# Altium PCB LimeSDR-Micro_M.2_2280_1v1.PcbDoc (part 6 of 9) (continued)
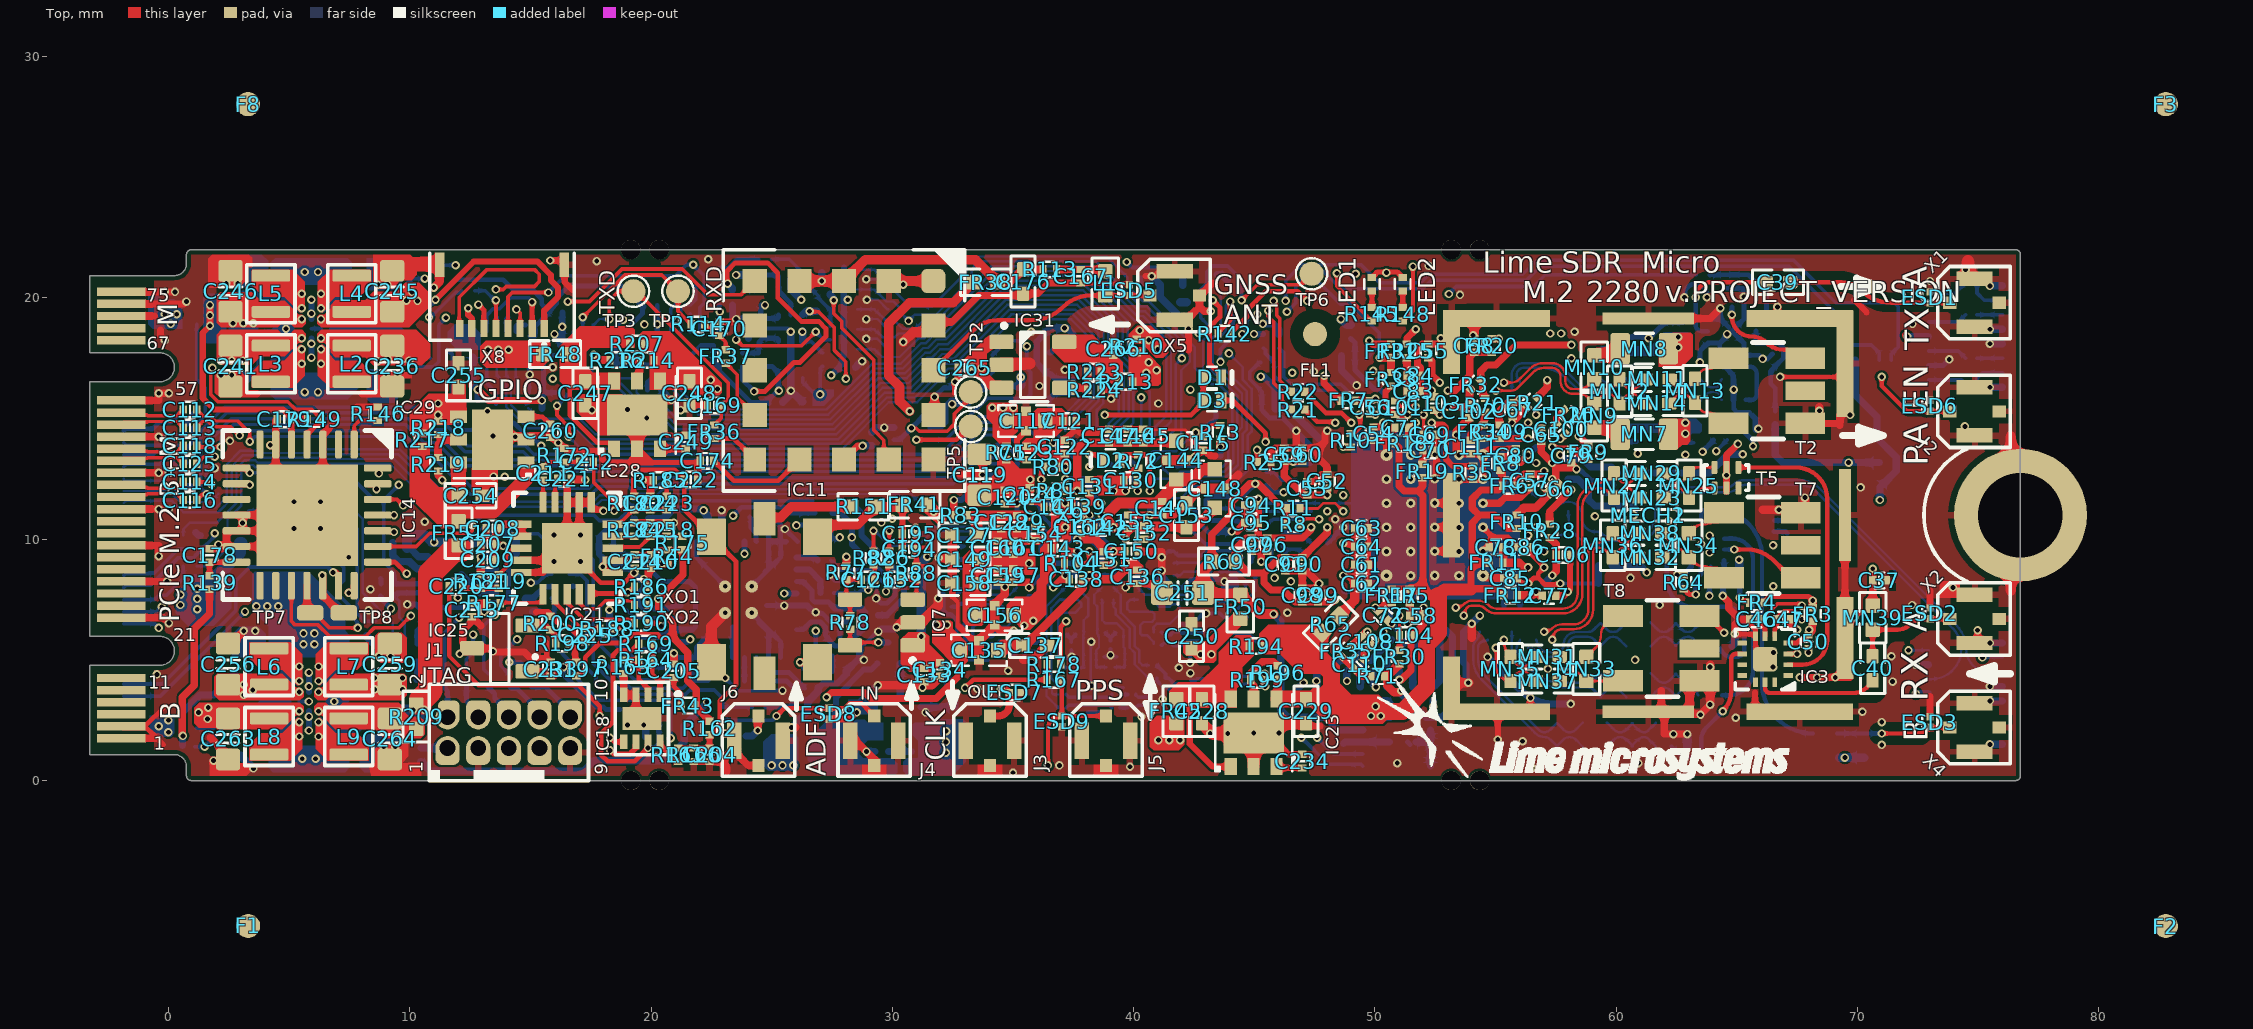
[diagram p0: Top view]
## Nets (pads, with @x,y where several pads share a name; then routed paths per layer and width w, separated by ;. In a path a pad name is that pad's centre, name@x,y a point inside that pad or via, vN(x,y) a via of type N, cw(c..) or ccw(c..) an arc to the next point about the centre after c; other vN are vias at no path point) (continued)
NetC194_1: C194.1 C195.1 FR41.1 R151.2 XO1.5 XO2.4 | length 5.7
  Top w0.25: C194.1@30.415,9.58 C195.1@30.415,10.225 30.415,11.375 FR41.1@30.425,11.375
  Top w0.4: XO1.5@26.9,10.6 28.55,10.6 R151.2@29.3,11.35 ; R151.2@29.3,11.325 FR41.1@30.365,11.325 ; FR41.1@30.365,11.425 FR41.1@30.415,11.375
NetC202_1: C202.1 IC18.7 R168.1 R169.1 R170.1 | length 11.1
  Top w0.2: R169.1@19.495,5.675 19.495,5.65 19.445,5.6 19.42,5.6 19.22,5.4 18.625,5.4 18.425,5.2 18.425,2.43 17.925,1.93 17.925,1.075 18.2,0.8 19.325,0.8 v1(19.875,1.35) IC18.7@19.875,1.6
  Bottom w0.2: R168.1@19.28,2.95 20.175,2.95 20.33,2.795 20.33,1.53 20.15,1.35 v1(19.875,1.35)
NetC205_1: C205.1 FR43.2 IC18.1 R164.1 R169.2 | length 4.1
  Top w0.2: R164.1@20.055,5 20.055,4.395 20.375,4.075 ; R164.1@20.055,5.075 R169.2@20.055,5.675 ; IC18.1@20.375,3.55 20.375,4.075 ; FR43.2@21.25,3.105 21.25,3.6 20.95,3.9 C205.1@20.95,4.27 20.57,4.27 20.375,4.075
NetC207_2: C207.2 C208.2 C209.2 FR44.2 IC21.6 IC21.7 | length 26.3
  Top w0.3: C209.2@13.505,9.15 C207.2@13.505,9.775 ; v1(13.875,9.725) 13.865,9.735 13.57,9.735 13.53,9.775 C207.2@13.505,9.775 ; IC21.7@14.625,10.125 IC21.6@14.625,10.625 13.925,10.625 13.565,10.265 13.565,9.973 13.505,9.913 C207.2@13.505,9.8 C207.2@13.505,9.775
  Top w0.35: v1(20.45,9) FR44.2@20.7,9
  L6 w0.4: v1(13.875,9.725) 13.875,9.732 17.093,12.95 24.675,12.95 26.75,10.875 26.75,10.175 26.35,9.775 25.528,9.775 25.178,10.125 21.575,10.125 v1@20.475,9.025
NetC211_1: C211.1 C212.2 R172.1 | length 1.6
  Top w0.15: C211.1@15.525,13.005 15.55,13.005 15.625,13.08 15.625,13.105 15.72,13.2 R172.1@16.4,13.2 17.04,13.2 C212.2@17.045,13.205
NetC211_2: C211.2 IC21.5 | length 1
  Top w0.15: IC21.5@15.475,11.475 IC21.5@15.525,11.525 C211.2@15.525,12.445
NetC215_1: C215.1 C218.2 IC21.18 R175.1 | length 3.1
  Top w0.15: IC21.18@18.425,9.625 18.48,9.68 19.535,9.68 19.875,10.02 19.875,10.045 19.95,10.12 C215.1@19.975,10.12 C218.2@20.65,10.12 R175.1@21.3,10.12
NetC217_2: C217.2 IC20.1 IC20.5 R171.1 R174.1 | length 3.8
  Bottom w0.2: R174.1@23.93,20.325 24.445,20.325 R171.1@24.45,20.33 24.455,20.33 24.505,20.38 C217.2@24.505,20.95 25.239,20.95 25.289,20.9 IC20.1@25.289,20.79 25.289,20.286 25.789,19.786 IC20.5@25.789,19.29
NetC219_1: C219.1 IC21.8 | length 1.7
  Top w0.15: C219.1@13.7,8.53 13.725,8.53 13.8,8.605 13.8,8.63 14,8.83 14,9.325 14.3,9.625 IC21.8@14.625,9.625
NetC219_2: C219.2 C220.1 R181.2 | length 1.5
  Top w0.2: C220.1@12.2,7.97 R181.2@12.925,7.97 ; R181.2@12.975,7.97 C219.2@13.7,7.97
NetC221_2: C221.2 IC21.4 | length 1
  Top w0.15: IC21.4@16.025,11.525 16.025,12.38 16.12,12.475 C221.2@16.12,12.5
NetC223_1: C223.1 R185.1 | length 0.7
  Top w0.15: C223.1@20.65,11.78 20.65,12.445 R185.1@20.655,12.45
NetC223_2: C223.2 C224.2 IC21.20 R180.2 | length 2.5
  Top w0.15: IC21.20@18.425,10.625 18.673,10.625 R180.2@19.284,11.236 ; R180.2@19.3,11.22 C224.2@19.975,11.22 C223.2@20.65,11.22
NetC225_1: C225.1 IC21.12 R188.1 | length 2.7
  Top w0.15: IC21.12@16.025,7.725 16.025,7.375 17.1,6.3 C225.1@17.275,6.3 ; C225.1@17.375,6.3 R188.1@17.89,6.3 R188.1@17.965,6.375
NetC227_2: C227.2 IC22.1 R183.1 R187.1 | length 2.1
  Bottom w0.2: R187.1@23.789,17.72 R183.1@24.464,17.72 24.464,18.159 24.605,18.3 C227.2@24.605,18.325 25.239,18.325 25.289,18.275 IC22.1@25.289,18.19
NetC228_2: C228.2 FR45.2 IC23.1 IC23.6 R194.1 | length 5.1
  Top w0.25: 42.325,3.4 42.325,1.525 43.275,0.575 IC23.1@44.025,0.575
  Top w0.6: C228.2@42.825,3.375 IC23.6@43.975,3.375
NetC234_2: C234.2 IC23.3 | length 1.1
  Top w0.25: IC23.3@45.925,0.525 C234.2@46.995,0.525
NetC238_2: C238.2 FR47.2 IC27.1 IC27.6 R201.1 | length 4.6
  Bottom w0.25: 27.425,2.375 27.425,2.625 27.675,2.875 27.675,3.459 28.816,4.6 29.125,4.6 IC27.1@29.375,4.85
  Bottom w0.6: C238.2@28.175,2.05 IC27.6@29.3,2.05
NetC243_2: C243.2 IC27.3 | length 0.9
  Bottom w0.3: IC27.3@31.275,4.85 C243.2@32.22,4.85
NetC247_2: C247.2 FR48.2 IC28.1 IC28.6 R207.1 | length 5.5
  Top w0.2: 16.632,16.55 16.632,15.143 17.775,14 18.225,14 IC28.1@18.475,13.75
  Top w0.6: 16.8,16.55 C247.2@17.275,16.55 IC28.6@18.425,16.55
NetC249_2: C249.2 IC28.3 | length 0.9
  Top w0.3: IC28.3@20.375,13.75 C249.2@21.32,13.75
NetC254_2: C254.2 FR51.2 IC29.1 IC29.6 R217.1 | length 5
  Top w0.6: C254.2@12.025,11.975 IC29.6@12.025,13.1 ; 12.1,11.1 12.15,11.15 13.461,11.15 14.825,12.514 IC29.1@14.825,13.1
NetC260_2: C260.2 IC29.3 | length 1.1
  Top w0.2: IC29.3@14.825,15.075 15.5,15.075 15.75,14.825 15.75,14.8 15.8,14.75 C260.2@15.825,14.75
NetFR36_2: FR36.2 IC11.9 | length 2.1
  Top w0.2: FR36.2@22.625,14.17 23.43,14.17 23.9,13.7 23.925,13.7 24.3,13.325 IC11.9@24.3,13.3
NetFR37_2: FR37.2 IC11.10 | length 2.6
  Top w0.15: FR37.2@23.1,17.295 23.575,16.82 23.575,15.875 IC11.10@24.3,15.15
NetIC1_AA33: IC1.AA33 R7.2 | length 1.4
  Bottom w0.15: R7.2@46.166,10.3 46.901,10.3 47.354,9.847 IC1.AA33@47.354,9.83
NetIC1_D28: IC1.D28 R23.1 | length 4.9
  Bottom w0.11: IC1.D28@49.019,15.491 49.019,15.995
  Bottom w0.15: R23.1@46.016,17.92 46.041,17.92 46.225,17.736 46.225,16.725 46.525,16.425 48.587,16.425 48.787,16.225 48.79,16.225 49.019,15.995
NetIC1_F18: IC1.F18 R35.1 | length 3.2
  Top w0.25: v1(52.349,14.825) 52.376,14.825 52.443,14.758 52.805,14.758 52.951,14.612 52.951,13.315 53.236,13.03 R35.1@54.066,13.03
NetIC1_F28: IC1.F28 R22.1 | length 2.5
  Top w0.2: R22.1@47.096,16.107 47.977,15.225 48.619,15.225 v1(49.019,14.825)
NetIC1_F30: IC1.F30 R21.1 | length 1.5
  Top w0.2: R21.1@47.096,15.375 47.096,15.35 47.146,15.3 47.171,15.3 47.604,14.867 48.271,14.867 48.313,14.825 v1(48.353,14.825)
NetIC1_P34: IC1.P34 R24.1 | length 1.8
  Bottom w0.15: R24.1@45.491,12.78 45.811,12.78 46.141,12.45 46.732,12.45 IC1.P34@47.021,12.161
NetIC1_R29: IC1.R29 R24.2 | length 3.6
  L4 w0.2: v1(46.216,11.95) 47.516,11.95 47.816,12.25 48.264,12.25 v1(48.686,11.828)
  Bottom w0.2: R24.2@45.491,12.22 45.516,12.22 45.566,12.17 45.566,12.145 45.761,11.95 v1(46.216,11.95)
NetIC1_U31: IC1.U31 R25.2 | length 7.3
  Top w0.15: v1@48.003,11.179 v1(48.02,11.162)
  Top w0.2: R25.2@45.116,13.2 v1(45.116,13.7)
  L4 w0.3: v1(45.116,13.7) 44.025,12.609 44.025,11.725 44.675,11.075 45.616,11.075 45.795,11.254 47.928,11.254 v1(48.02,11.162)
NetIC1_V32: IC1.V32 R8.2 | length 0.9
  Top w0.15: R8.2@46.896,10.625 46.896,10.65 46.971,10.725 46.996,10.725 47.117,10.846 47.499,10.846 47.516,10.829 v1(47.687,10.829) v1@47.67,10.846
NetIC6_E8: IC6.E8 R104.1 | length 0.9
  Top w0.2: R104.1@37.696,9 37.721,8.975 38.016,8.975 38.167,9.126 v1(38.167,9.5)
NetIC6_K4: IC6.K4 R81.1 | length 0.4
  Top w0.2: v1(36.167,12) R81.1@36.561,12
NetIC6_M4: IC6.M4 R80.1 | length 1.1
  Top w0.2: v1(36.175,12.475) 36.175,12.788 R80.1@36.387,13
  Bottom w0.2: IC6.M4@36.167,13 36.167,12.483 v1(36.175,12.475)
NetIC6_M13: IC6.M13 R87.1 | length 2.9
  Bottom w0.1: IC6.M13@40.667,13 41.117,13.45 41.849,13.45 42.199,13.8 42.686,13.8 42.911,13.575 42.936,13.575 43.036,13.475 R87.1@43.036,13.45
NetIC6_N13: IC6.N13 R79.2 | length 2.6
  Bottom w0.1: IC6.N13@40.667,13.5 40.675,13.5 40.825,13.65 41.766,13.65 42.216,14.1 R79.2@43.036,14.1
NetIC6_R12: IC6.R12 R76.2 | length 35.6
  L6 w0.1: v1(15.45,13.875) 16.15,14.575 16.735,14.575 17.335,13.975 25.02,13.975 25.687,13.308 27.97,11.025 28.534,11.025 28.85,11.341 28.85,13.425 29.175,13.75 29.175,14.625 32.15,17.6 34.134,17.6 34.534,17.2 36.125,17.2 36.825,16.5 37.433,16.5 37.808,16.875 39.442,16.875 40.269,16.048 40.269,15.923 v1(40.317,15.875)
  Bottom w0.1: IC6.R12@40.167,14.5 40.317,14.65 v1(40.317,15.875)
  Bottom w0.18: R76.2@13.855,14.825 14.316,14.825 14.781,14.36 14.965,14.36 v1@15.417,13.908
NetIC7_5: IC7.5 R78.1 R84.2 R85.1 | length 25.2
  Top w0.15: IC7.5@28.045,5.6 IC7.5@28.245,5.6 cw(c28.37,5.6) IC7.5@28.25,5.635 ; R78.1@28.25,6.27 IC7.5@28.25,5.635 ; v1(29.425,5.725) 28.37,5.725 ccw(c28.37,5.6) IC7.5@28.25,5.635
  L6 w0.1: v1(29.425,5.725) 30.405,5.725 31.58,6.9 33.075,6.9 34.825,8.65 34.825,9.75 35.075,10 35.075,10.868 35.782,11.575 36.35,11.575 36.875,12.1 37.226,12.1 37.451,12.325 37.816,12.325 37.891,12.25 38.5,12.25 38.95,12.7 40.466,12.7 42.016,11.15 v2(42.016,10.75)
  Bottom w0.15: v1(29.425,5.725) v1@29.5,5.725 ; v2(42.016,10.75) 42.966,9.8 44.011,9.8 44.211,10 45.325,10 45.72,9.605 R84.2@45.72,9.025
  Bottom w0.25: v1@29.5,5.725 R85.1@29.85,5.725
NetIC16_17: IC16.17 R153.1 | length 0.9
  Bottom w0.25: IC16.17@26.025,9.25 26.77,9.25 26.845,9.175 26.87,9.175 26.895,9.15 R153.1@26.895,9.125
NetIC16_18: IC16.18 R154.1 | length 1.7
  Bottom w0.25: IC16.18@26.025,8.75 26.55,8.75 27.02,8.28 R154.1@27.02,7.775
NetIC16_31: IC16.31 R156.2 | length 2.8
  Bottom w0.2: R156.2@20.155,4.7 21.325,4.7 21.575,4.45 22.075,4.45 22.356,4.731 22.356,5.081 IC16.31@22.375,5.1
NetIC17_4: IC17.4 R158.2 R160.1 | length 34.3
  L6 w0.1: v2(10.125,10.875) 10.125,10.55 10.325,10.35 11.375,10.35 12.775,8.95 14.15,8.95 17.125,11.925 24.675,11.925 v1(26.025,10.575)
  Bottom w0.1: R160.1@1.18,8.875 1.7,8.875 2.45,9.625 2.45,10.825 3.025,11.4 3.025,12.86 3.24,13.075 3.51,13.075 3.61,12.975 6.518,12.975 6.668,13.125 9.196,13.125 10.125,12.196 v2(10.125,10.875) v2@10.1,10.875
  Bottom w0.2: v1@26.025,10.587 IC17.4@26.8,10.587 26.865,10.587 26.89,10.562 R158.2@26.89,9.942
NetIC18_2: IC18.2 R163.2 R164.2 | length 2.2
  Top w0.2: R163.2@18.93,5 R164.2@19.495,5 19.495,4.205 19.875,3.825 IC18.2@19.875,3.55
NetIC18_8: IC18.8 R161.1 | length 1.2
  Top w0.2: IC18.8@20.38,1.595 IC18.8@20.375,1.6 20.375,1.482 21.072,0.785 R161.1@21.12,0.785
NetIC21_11: IC21.11 R177.2 | length 2.4
  Top w0.15: R177.2@13.755,7.35 13.78,7.375 15.525,7.375 IC21.11@15.525,7.725 IC21.11@15.525,7.95
NetIC21_13: IC21.13 R190.1 | length 3.5
  Top w0.15: IC21.13@16.525,7.725 16.525,7.375 17.225,6.675 19.17,6.675 R190.1@19.32,6.525
NetIC21_14: IC21.14 R191.1 | length 3
  Top w0.15: IC21.14@17.025,7.725 17.072,7.678 17.072,7.328 17.275,7.125 17.775,7.125 18.1,7.45 19.17,7.45 19.32,7.3 R191.1@19.32,7.275
NetIC21_19: IC21.19 R184.1 | length 0.9
  Top w0.15: IC21.19@18.425,10.125 19.295,10.125 R184.1@19.3,10.12
NetIC23_5: IC23.5 R196.2 R199.1 | length 2.6
  Top w0.3: IC23.5@44.905,3.445 IC23.5@44.975,3.375 44.975,3.925 44.85,4.05 R199.1@44.85,4.175 44.85,4.451 45.324,4.925 45.799,4.925 45.95,4.774 45.95,4.755 R196.2@45.975,4.755
NetIC25_2: IC25.2 R198.2 R200.1 | length 1.7
  Top w0.25: IC25.2@14.876,6.425 15.646,6.425 R200.1@15.826,6.245 15.851,6.245 15.876,6.22 15.876,6.195 16.04,6.031 16.04,5.699 R198.2@16.051,5.688
NetIC26_A2: IC26.A2 IC26.B2 L3.1
  other v1: 5.525,17.275 5.525,17.875
NetIC26_A4: IC26.A4 IC26.B4 L2.1
  other v1: 6.325,17.275 6.325,17.875
NetIC26_F2: IC26.F2 IC26.G2 L5.1
  other v1: 5.525,19.575 5.525,20.175
NetIC26_F4: IC26.F4 IC26.G4 L4.1
  other v1: 6.325,19.575 6.325,20.175
NetIC27_5: IC27.5 R202.2 R203.1 | length 1.8
  Bottom w0.3: R203.1@29.84,1.2 30.09,1.2 30.315,1.426 ; R202.2@30.79,1.2 30.541,1.2 30.315,1.426 ; 30.315,1.426 IC27.5@30.315,2.04 ; IC27.5@30.315,2.04 IC27.5@30.325,2.05 IC27.5@30.315,2.04
NetIC28_5: IC28.5 R214.2 R216.1 | length 1.6
  Top w0.3: R216.1@18.865,17.425 R214.2@19.565,17.425 19.525,17.385 19.525,16.65 IC28.5@19.425,16.55 ; IC28.5@19.34,16.56 IC28.5@19.35,16.55
NetIC29_5: IC29.5 R218.2 R219.1 | length 1.8
  Top w0.3: R219.1@11.175,13.39 11.175,13.91 11.39,14.125 ; R218.2@11.175,14.34 11.39,14.125 ; IC29.5@12.025,14.125 11.39,14.125
NetIC30_A2: IC30.A2 IC30.B2 L7.1
  other v1: 6.225,4.125 6.225,4.725
NetIC30_A4: IC30.A4 IC30.B4 L6.1
  other v1: 5.425,4.125 5.425,4.725
NetIC30_C5: IC30.C5 IC30.D3 IC30.D4 R220.2 | length 3.7
  L6 w0.15: v2(4.7,3.675) 5.1,3.275 v1(5.825,3.275)
  Bottom w0.15: R220.2@3.325,4.425 4.075,3.675 IC30.C5@5.025,3.675 ; IC30.D4@5.425,3.275 v1(5.825,3.275)
NetIC30_F2: IC30.F2 IC30.G2 L9.1
  other v1: 6.225,1.825 6.225,2.425
NetIC30_F4: IC30.F4 IC30.G4 L8.1
  other v1: 5.425,1.825 5.425,2.425
NetIC31_4: IC31.4 R223.2 R224.1 | length 1.7
  Top w0.3: IC31.4@37.125,16.275 38.02,16.275 38.07,16.225 R224.1@38.095,16.225 ; R224.1@38.095,16.2 R224.1@38.095,16.225 ; R223.2@38.095,16.95 R224.1@38.095,16.225
NetJ1_1: J1.1 pad.2@11.57,1.15 R90.1 | length 1.1
  Bottom w0.3: R90.1@10.48,1.35 J1.1@11.57,1.35
NetJ1_2: J1.2 pad.2@11.57,2.82 pad.2@11.62,2.82 R91.2 | length 1.3
  Bottom w0.2: R91.2@11.45,3.87 11.475,3.87 11.475,3.798 11.57,3.703 J1.2@11.57,2.62
NetJ1_4: J1.4 pad.2@12.84,2.82 R92.2 | length 1.5
  Bottom w0.2: R92.2@12.35,3.87 12.35,3.31 pad.2@12.84,2.82 J1.4@12.84,2.62
NetJ1_6: J1.6 pad.2@14.11,2.82 R93.2 | length 1.6
  Bottom w0.2: R93.2@13.25,3.87 13.525,3.595 13.525,3.405 pad.2@14.11,2.82 J1.6@14.11,2.62
NetJ1_8: J1.8 pad.2@15.38,2.82 R94.2 | length 1.9
  Bottom w0.2: R94.2@14.15,3.87 14.175,3.87 14.225,3.82 14.43,3.82 15.38,2.87 pad.2@15.38,2.82 J1.8@15.38,2.62
NetJ1_10: J1.10 pad.2@16.65,2.82 R95.1 | length 2.3
  Bottom w0.2: R95.1@15.05,3.87 15.63,3.87 16.65,2.85 pad.2@16.65,2.82 J1.10@16.65,2.62
NetLED1_K: LED1.K R145.1 | length 0.7
  Top w0.2: R145.1@49.875,19.605 LED1.K@49.875,20.29
NetLED2_K: LED2.K R148.1 | length 0.7
  Top w0.2: R148.1@51.15,19.605 LED2.K@51.15,20.29
NetMN7_1: MN7.1 MN9.2 | length 1.2
  Top w0.6: MN9.2@59.091,14.625 59.891,14.625 MN7.1@60.166,14.35
NetMN8_1: MN8.1 MN10.2 | length 1.2
  Top w0.6: MN10.2@59.091,17.625 59.891,17.625 MN8.1@60.166,17.9
NetR2_2: R2.2 R3.2 R4.2 | length 0.6
  Bottom w0.15: R2.2@37.231,6.05 37.416,5.865 ; R3.2@37.416,5.74 37.416,5.865 ; R4.2@37.601,6.05 37.416,5.865
NetR16_2: R16.2 R17.2 R18.2 | length 0.7
  Bottom w0.15: R18.2@38.831,6.125 39.041,5.915 ; R17.2@39.041,5.79 39.041,5.915 ; R16.2@39.251,6.125 39.041,5.915
NetR79_1: R79.1 TP1.1 | length 1.1
  Bottom w0.2: R79.1@43.036,14.66 43.416,15.04 TP1.1@43.416,15.6
NetR151_1: R151.1 XO1.6 | length 3.8
  Top w0.4: XO1.6@24.7,10.85 24.75,10.9 25.375,10.9 25.825,11.35 R151.1@28.3,11.35
NetR178_1: R178.1 R179.1 | length 54
  Top w0.15: v1(23.525,18.275) 23.775,18.025 26.25,18.025 v1(26.825,18.6) ; v1@26.825,18.525 v1(26.825,18.6) ; v1@26.825,18.625 v1(26.825,18.6)
  Top w0.18: R178.1@36.975,4.825 36.975,6.375 v1(37.2,6.6)
  L4 w0.1: v1(23.525,18.275) 22.875,18.275 21.7,17.1 21.7,15.7 22.25,15.15 25.26,15.15 26.735,16.625 27.184,16.625 27.335,16.474 27.605,16.474 27.606,16.475 27.725,16.475 27.875,16.325 29.85,16.325 32.875,19.35 42.7,19.35 43.075,18.975 43.5,18.975 44.375,18.1 45.375,18.1 v1(46.575,16.9)
  L6 w0.1: v1(37.2,6.6) 40.009,6.6 42.75,9.341 42.75,9.999 42.9,10.149 42.9,12.317 44.2,13.617 44.2,14.258 46.575,16.633 v1(46.575,16.9)
  Bottom w0.15: v1(26.825,18.6) 27.16,18.265 R179.1@27.43,18.265
PCIE_PER0_N: C125.1 X9.P47 | length 2.7
  Top w0.14: X9.P47@-1.95,13.25 -1.845,13.355 -0.873,13.355 -0.848,13.38 0.365,13.38 ; 0.36,13.38 C125.1@0.615,13.125
PCIE_PER0_P: C118.1 X9.P49 | length 2.7
  Top w0.14: X9.P49@-1.95,13.75 -1.845,13.645 -0.873,13.645 -0.848,13.62 0.36,13.62 C118.1@0.615,13.875
PCIE_PERST#: D1.C R74.2 R144.2 R215.1 X9.P50 | length 66
  Top w0.2: v1(43.275,19.9) 43.28,19.9 43.575,19.605 43.575,19.213 43.145,18.783 43.145,17.275 43.625,16.795 D1.C@43.625,16.7
  L3 w0.1: v1(11.5,19.175) 16.55,19.175 16.85,18.875 17.325,18.875 17.925,19.475 20.875,19.475 21.625,20.225 25.725,20.225 26.6,21.1 30.367,21.1 31.167,20.3 40.875,20.3 41.275,19.9 v1(43.275,19.9)
  L6 w0.1: v2(0.7,13.175) 1.264,12.611 2.239,12.611 3.125,11.725 3.6,11.725 5.15,13.275 5.15,13.683 7.55,16.083 7.55,17.592 8.633,18.675 11.092,18.675 11.325,18.908 11.325,19 v1(11.5,19.175)
  Bottom w0.15: X9.P50@-1.85,14 -1.75,13.9 -0.737,13.9 0.445,13.9 0.55,13.795 0.55,13.77 0.625,13.695 R144.2@0.65,13.695 R144.2@0.675,13.695 ; R144.2@0.68,13.695 R144.2@0.675,13.695 ; R74.2@1.18,18.9 1.18,16.62 1.525,16.275 1.525,15.14 1,14.615 1,14.025 0.75,13.775 0.75,13.77 R144.2@0.675,13.695 ; R215.1@9.455,18.05 9.903,18.05 10.325,17.627 10.325,17.275 10.463,17.137 10.982,17.137 11.2,17.355 11.2,18.875 v1(11.5,19.175)
  Bottom w0.25: R144.2@0.65,13.695 0.65,13.225 v2(0.7,13.175)
PCIE_PET0_N: C116.1 X9.P41 | length 2.7
  Top w0.14: X9.P41@-1.95,11.75 -1.845,11.855 -0.873,11.855 -0.848,11.88 0.365,11.88 ; 0.36,11.88 C116.1@0.615,11.625
PCIE_PET0_P: C114.1 X9.P43 | length 2.7
  Top w0.14: X9.P43@-1.95,12.25 -1.845,12.145 -0.873,12.145 -0.848,12.12 0.36,12.12 C114.1@0.615,12.375
PCIE_REF_CLK_N: C113.1 X9.P53 | length 2.7
  Top w0.14: X9.P53@-1.95,14.75 -1.845,14.855 -0.873,14.855 -0.848,14.88 0.365,14.88 ; 0.36,14.88 C113.1@0.615,14.625
PCIE_REF_CLK_P: C112.1 X9.P55 | length 2.7
  Top w0.14: X9.P55@-1.95,15.25 -1.845,15.145 -0.873,15.145 -0.848,15.12 0.36,15.12 C112.1@0.615,15.375
PCIE_W_DISABLE1#: IC14.4 R149.2 X9.P8 | length 25
  Top w0.15: v1@1.75,17.075 1.75,16.003 2.053,15.7 4.95,15.7 5.275,15.375 5.937,15.375 6.237,15.075 6.25,15.075 6.325,15 R149.2@6.325,14.975
  Top w0.2: IC14.4@5.75,13.925 5.75,14.35 R149.2@6.35,14.95
  L4 w0.1: v1(1.825,17.1) 1.45,16.725 1.45,12.9 1.725,12.625 2,12.625 2.5,12.125 2.5,7.675 v1(3.175,7)
  Bottom w0.15: X9.P8@-1.85,3.5 -0.325,3.5 v1(3.175,7)
PCIE_W_DISABLE2#: R76.1 R147.2 X9.P26 | length 23.7
  L6 w0.1: v1(1.925,10.25) 3.15,10.25 3.9,11 3.9,11.167 5.75,13.017 5.75,13.4 8.15,15.8 8.15,17.325 8.9,18.075 11.282,18.075 11.435,17.923 11.498,17.923 v2@11.5,17.925
  Bottom w0.15: X9.P26@-1.85,8 -1.756,8.094 -0.733,8.094 -0.678,8.15 -0.575,8.252 0.398,9.225 1.025,9.225 1.925,10.125 v1(1.925,10.25) ; v2(11.55,17.875) 11.77,17.655 11.77,14.985 12.23,14.525 12.575,14.525 12.875,14.825 R76.1@13.295,14.825
R1_N: C125.2 IC6.R2 | length 36.8
  Top w0.14: C125.2@1.175,13.125 1.475,13.425 v1(1.925,13.425)
  Bottom w0.14: v1(1.925,13.425) 1.83,13.52 1.83,14.215 2.61,14.995 9.944,14.995 10.689,14.25 11.206,14.25 12.156,13.3 14.5,13.3 14.51,13.29 14.524,13.29 14.769,13.045 32.209,13.045 33.724,14.56 35.107,14.56 IC6.R2@35.167,14.5
R1_P: C118.2 IC6.P2 | length 36.2
  Top w0.14: C118.2@1.175,13.875 1.225,13.825 v1(2.175,13.825)
  Bottom w0.14: v1(2.175,13.825) 2.175,14.221 2.709,14.755 9.845,14.755 10.59,14.01 11.107,14.01 12.067,13.05 14.425,13.05 14.67,12.805 32.309,12.805 33.824,14.32 34.847,14.32 IC6.P2@35.167,14
RF_I2C_SCL: R225.1 X8.3 | length 6.2
  Top w0.15: v1(14.425,19.525) 14.575,19.375 X8.3@14.575,18.725
  L3 w0.1: v1(11.9,21.355) 13.12,21.355 14.425,20.05 v1(14.425,19.525)
  Bottom w0.15: R225.1@10.175,21.355 v1(11.9,21.355)
RF_I2C_SDA: R226.1 X8.5 | length 2.2
  Top w0.15: X8.5@13.575,18.725 v1(13.575,19.9)
  Bottom w0.15: R226.1@12.705,20.3 13.13,20.3 13.53,19.9 v1(13.575,19.9)
RX1_H: IC3.2 T5.1 | length 12.5
  Top w0.18: T5.1@65.066,12.975 67.441,12.975 cw(c67.441,11.675) 68.741,11.675 68.741,5.818 cw(c67.722,5.818) 67.722,4.8 IC3.2@67.118,4.8
RX1_H_A_N: IC1.AJ15 MN27.1 MN29.2 | length 12.8
  Top w0.1: v1(53.348,7.166) cw(c53.43,7.084) 53.43,7.2 ccw(c53.43,7.546) 53.675,7.301 cw(c54.034,6.943) 54.034,7.45 54.265,7.45 cw(c54.265,6.826) 54.706,7.267 ; 54.707,7.266 ccw(c55.049,7.608) 55.049,7.125 57.791,7.125 ccw(c57.791,7.731) 58.397,7.731 58.397,11.43 cw(c59.144,11.43) 58.616,11.958 58.796,12.138 ; 58.852,12.194 58.796,12.138 ; 59.25,12.325 ccw(c59.25,11.681) 58.796,12.138 ; 59.251,12.325 ccw(c59.251,12.96) 59.7,12.511 MN27.1@59.889,12.7 ; MN27.1@59.914,12.725 MN27.1@59.889,12.7 ; MN29.2@60.964,12.725 60.67,12.432 cw(c60.413,12.69) 60.414,12.325 cw(c60.415,12.69) 60.157,12.432 MN27.1@59.889,12.7
RX1_H_A_P: IC1.AK14 MN23.2 MN27.2 | length 12.6
  Top w0.1: v1(53.681,6.833) ccw(c53.599,6.915) 53.715,6.915 53.715,6.923 cw(c54.042,6.923) 53.811,7.154 cw(c54.042,6.923) 54.042,7.25 54.264,7.25 cw(c54.264,6.823) 54.566,7.124 ccw(c55.048,7.606) 55.048,6.925 57.791,6.925 ccw(c57.791,7.731) 58.597,7.731 58.597,11.347 cw(c59.344,11.347) 58.816,11.875 58.935,11.994 cw(c59.251,11.678) 59.251,12.125 cw(c59.251,11.49) 59.7,11.939 MN27.2@59.889,11.75 ; MN27.2@59.914,11.725 MN27.2@59.889,11.75 ; MN23.2@60.964,11.725 60.67,12.018 ccw(c60.413,11.76) 60.414,12.125 ccw(c60.415,11.76) 60.157,12.018 MN27.2@59.889,11.75
RX1_H_B_N: MN25.1 MN29.1 T5.3 | length 2.6
  Top w0.1: MN29.1@61.964,12.725 62.257,12.432 ccw(c62.515,12.69) 62.515,12.325 ; 62.513,12.325 ccw(c62.513,12.69) 62.77,12.432 MN25.1@63.039,12.7 ; MN25.1@63.014,12.725 cw(c63.264,12.725) 63.264,12.975 T5.3@64.066,12.975
RX1_H_B_P: MN23.1 MN25.2 T5.4 | length 2.5
  Top w0.1: MN23.1@61.964,11.725 62.257,12.018 cw(c62.515,11.76) 62.514,12.125 cw(c62.513,11.76) 62.77,12.018 MN25.2@63.017,11.772 ; MN25.2@63.014,11.725 cw(c63.414,11.725) MN25.2@63.017,11.772 ; MN25.2@63.039,11.75 MN25.2@63.017,11.772 ; MN25.2@63.142,11.772 cw(c63.539,11.725) 63.539,12.125 T5.4@64.066,12.125
RX1_L: IC3.9 T3.2 | length 6.3
  Top w0.18: v1(64.416,2.875) ccw(c63.571,3.72) 64.766,3.72 64.766,5.05 cw(c64.966,5.05) 64.966,5.25 IC3.9@65.213,5.25
  Bottom w0.18: T3.2@62.291,1.41 62.627,1.074 ccw(c62.866,1.313) 62.866,0.975 63.191,0.975 ccw(c63.191,1.3) 63.516,1.3 63.516,1.662 cw(c64.27,1.662) 63.737,2.196 v1(64.416,2.875)
RX1_L_A_N: IC1.AM12 MN19.1 MN21.2 | length 7.7
  Bottom w0.1: IC1.AM12@54.313,6.085 cw(c53.967,6.085) 54.212,5.84 ccw(c54.552,5.499) 54.071,5.499 54.071,5.018 ccw(c55.232,5.018) 54.411,4.197 ; IC1.AM12@54.313,6.085 cw(c54.429,6.085) IC1.AM12@54.347,6.167 ; 54.437,4.171 56.517,2.091 56.658,1.95 ccw(c57.011,2.302) 57.011,1.803 57.012,1.803 cw(c57.012,1.439) 57.27,1.697 MN19.1@57.538,1.428 ; MN19.1@57.563,1.403 MN19.1@57.538,1.428 ; MN21.2@58.613,1.403 58.32,1.697 ccw(c58.062,1.439) 58.063,1.803 ccw(c58.064,1.439) 57.807,1.697 MN19.1@57.538,1.428
RX1_L_A_P: IC1.AN11 MN16.2 MN19.2 | length 7.3
  Bottom w0.1: IC1.AN11@54.68,5.834 cw(c54.598,5.916) 54.598,5.8 54.588,5.8 ccw(c54.588,5.477) 54.36,5.706 ccw(c54.576,5.49) 54.271,5.49 54.271,5.055 ccw(c55.32,5.055) 54.578,4.313 54.637,4.254 56.717,2.174 56.799,2.092 ccw(c57.012,2.305) 57.012,2.003 ccw(c57.012,2.368) 57.27,2.11 57.538,2.378 57.807,2.11 ccw(c58.064,2.368) 58.063,2.004 ccw(c58.062,2.368) 58.32,2.11 MN16.2@58.613,2.403
RX1_L_B_N: MN17.1 MN21.1 T3.3 | length 2.7
  Bottom w0.1: MN21.1@59.613,1.403 59.907,1.697 cw(c60.164,1.439) 60.164,1.803 ; 60.162,1.803 cw(c60.162,1.439) 60.42,1.697 MN17.1@60.688,1.428 ; MN17.1@60.638,1.429 60.907,1.697 cw(c61.164,1.439) 61.164,1.803 cw(c61.164,1.586) 61.318,1.74 T3.3@61.641,1.417
RX1_L_B_P: MN16.1 MN17.2 T3.4 | length 2.7
  Bottom w0.1: MN16.1@59.613,2.403 59.907,2.11 ccw(c60.164,2.368) 60.163,2.004 ccw(c60.162,2.368) 60.42,2.11 MN17.2@60.688,2.378 ; MN17.2@60.638,2.378 60.663,2.354 60.907,2.11 ccw(c61.164,2.368) 61.164,2.004 ccw(c61.164,2.221) 61.318,2.067 T3.4@61.641,2.39
RX1_W: IC3.3 T8.1 | length 5
  Top w0.18: T8.1@63.456,6.82 T8.1@63.721,6.82 ; T8.1@63.746,6.845 v1(64.466,6.125) ; IC3.3@67.118,5.25 v1(67.491,5.25)
  L6 w0.1: v1@64.441,6.1 ccw(c64.501,6.1) 64.458,6.057 64.666,5.85 ccw(c65.028,6.212) 65.028,5.7 66.454,5.7 cw(c66.454,5.25) 66.773,5.568 66.808,5.533 ccw(c67.491,6.216) v1(67.491,5.25)
RX1_W_A_N: IC1.AP10 MN35.1 MN37.2 | length 3
  Top w0.1: v1(55.013,5.501) 55.013,4.727 ccw(c55.591,4.727) 55.591,4.15 55.859,4.418 cw(c56.117,4.16) 56.117,4.525 ; 56.115,4.525 cw(c56.115,4.16) 56.372,4.418 MN37.2@56.666,4.125
RX1_W_A_P: IC1.AN9 MN31.2 MN35.2 | length 2.4
  Top w0.1: v1(55.346,5.834) 55.346,5.776 ccw(c56.266,5.776) MN35.2@55.616,5.125 MN35.2@55.411,5.125 ; MN35.2@55.591,5.1 55.859,4.832 ccw(c56.117,5.09) 56.117,4.725 ; 56.115,4.725 ccw(c56.115,5.09) 56.372,4.832 MN31.2@56.666,5.125
RX1_W_B_N: MN33.1 MN37.1 T8.4 | length 2.9
  Top w0.1: MN37.1@57.666,4.125 57.959,4.418 cw(c58.217,4.16) 58.217,4.525 ; 58.215,4.525 cw(c58.215,4.16) 58.472,4.418 MN33.1@58.741,4.15 ; MN33.1@58.766,4.125 T8.4@60.276,4.125
RX1_W_B_P: MN31.1 MN33.2 T8.6 | length 3.8
  Top w0.1: MN31.1@57.666,5.125 57.959,4.832 ccw(c58.217,5.09) 58.217,4.725 ; 58.215,4.725 ccw(c58.215,5.09) 58.472,4.832 MN33.2@58.741,5.1 ; MN33.2@58.766,5.125 59.136,5.495 ccw(c58.581,6.05) 59.366,6.05 ; 59.366,6.084 cw(c59.827,6.084) 59.501,6.41 59.501,6.42 59.643,6.562 59.653,6.562 cw(c60.276,5.939) T8.6@60.276,6.82
RX2_H: IC4.2 T6.1 | length 8.2
  Bottom w0.18: T6.1@64.399,3.53 64.659,3.53 ccw(c64.659,4.536) 65.666,4.536 65.666,9.179 ccw(c64.819,9.179) 64.819,10.025 IC4.2@64.468,10.025
RX2_H_A_N: IC1.AM8 MN28.1 MN30.2 | length 6.7
  Bottom w0.1: IC1.AM8@55.679,6.167 55.671,6.159 55.671,5.493 ccw(c56.591,5.493) 55.941,4.842 56.377,4.406 ccw(c57.709,5.739) 57.709,3.855 58.485,3.855 58.817,3.855 cw(c58.817,3.49) 59.075,3.748 MN28.1@59.343,3.48 ; MN28.1@59.368,3.455 MN28.1@59.343,3.48 ; MN30.2@60.418,3.455 60.125,3.748 ccw(c59.867,3.49) 59.868,3.854 ccw(c59.869,3.49) 59.612,3.748 MN28.1@59.343,3.48
RX2_H_A_P: IC1.AN7 MN24.2 MN28.2 | length 6
  Bottom w0.1: IC1.AN7@56.012,5.834 cw(c55.909,5.834) 55.982,5.761 ccw(c56.25,5.494) 55.871,5.494 ccw(c56.593,5.494) 56.083,4.983 56.516,4.55 ccw(c57.712,5.746) 57.712,4.055 58.485,4.055 ; 58.488,4.055 58.817,4.055 ccw(c58.817,4.419) 59.075,4.161 59.343,4.43 59.612,4.161 ccw(c59.869,4.419) 59.868,4.055 ccw(c59.867,4.419) 60.125,4.161 MN24.2@60.418,4.455